# Altium PCB RS422 Breakout.PcbDoc
Units mil, origin at the board's own origin, x right, y up, seen from the top; angles counter-clockwise.
Board outline 1175 x 1375 mil, 2 copper layers (Top Layer, Bottom Layer), stack 30.315 mil thick; 53 components, 38 nets, 146 pads, 83 vias.
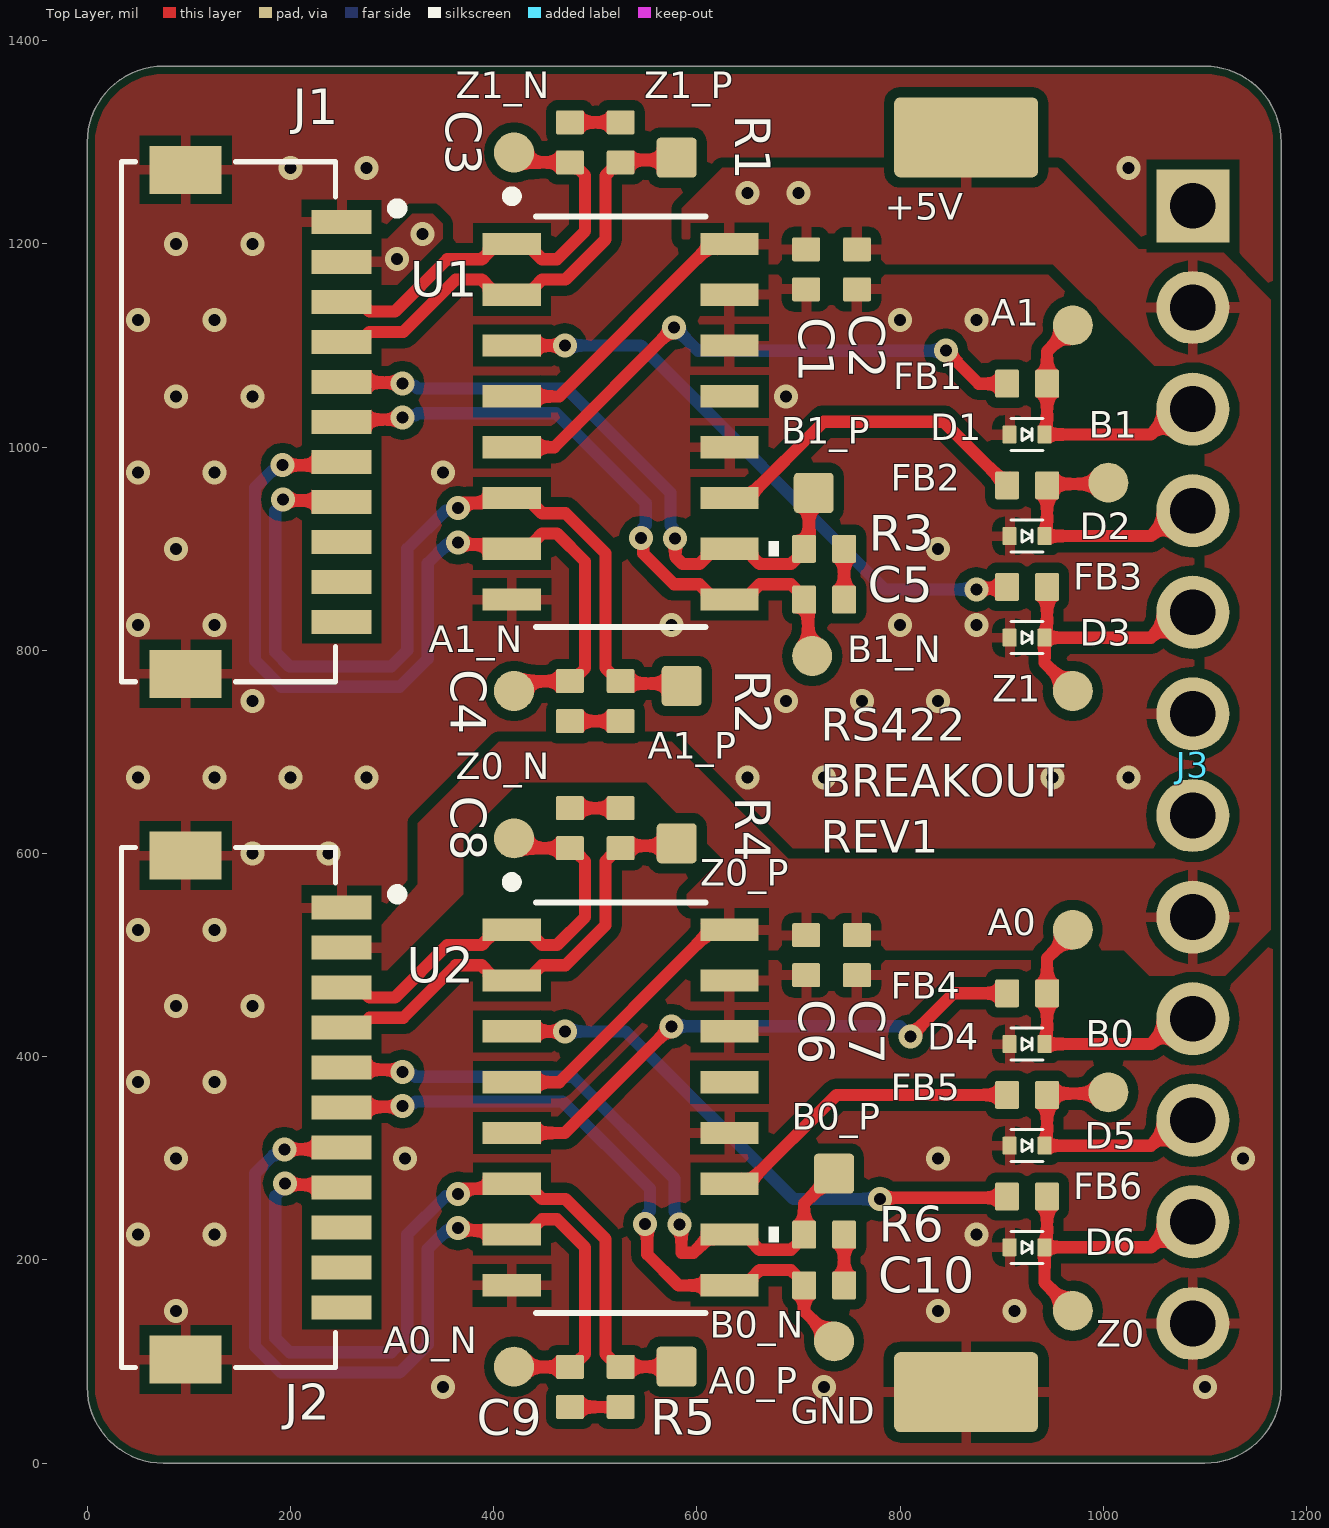
[diagram p0: Top Layer view]
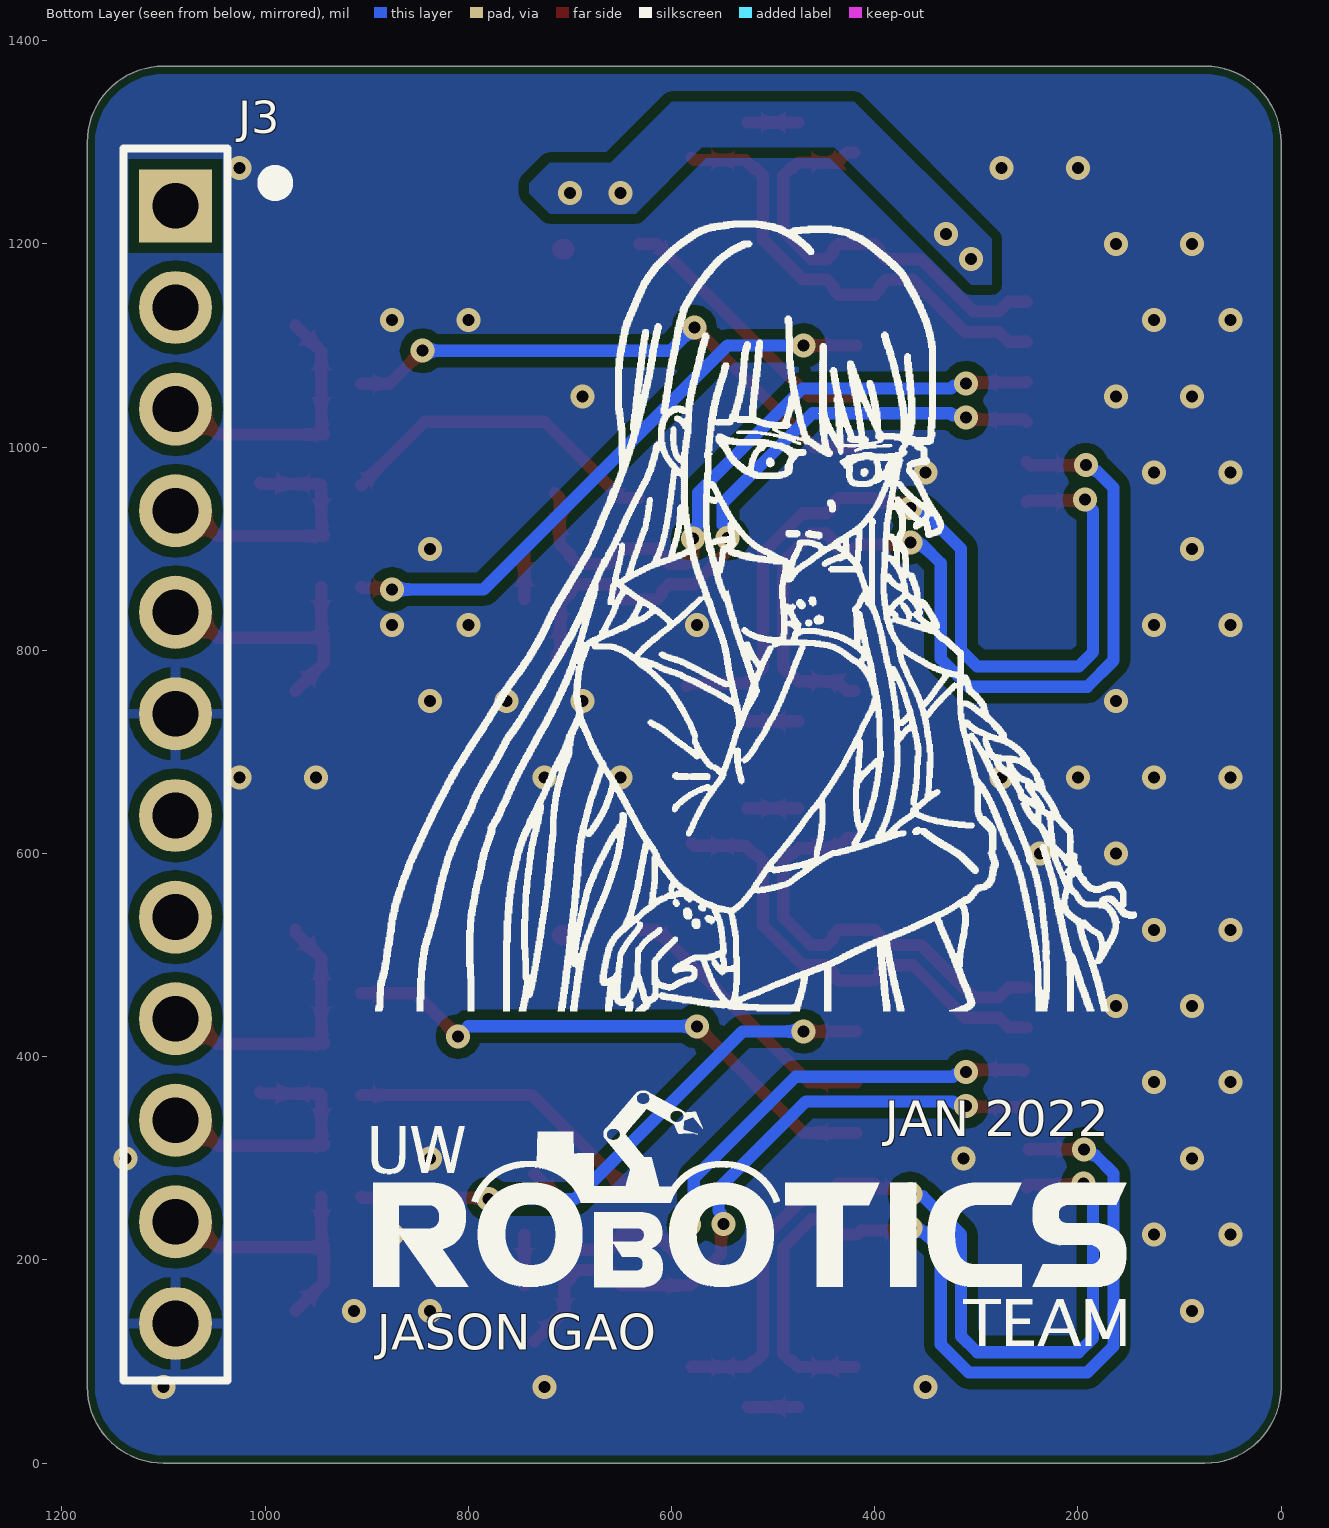
[diagram p1: Bottom Layer view, seen from below]
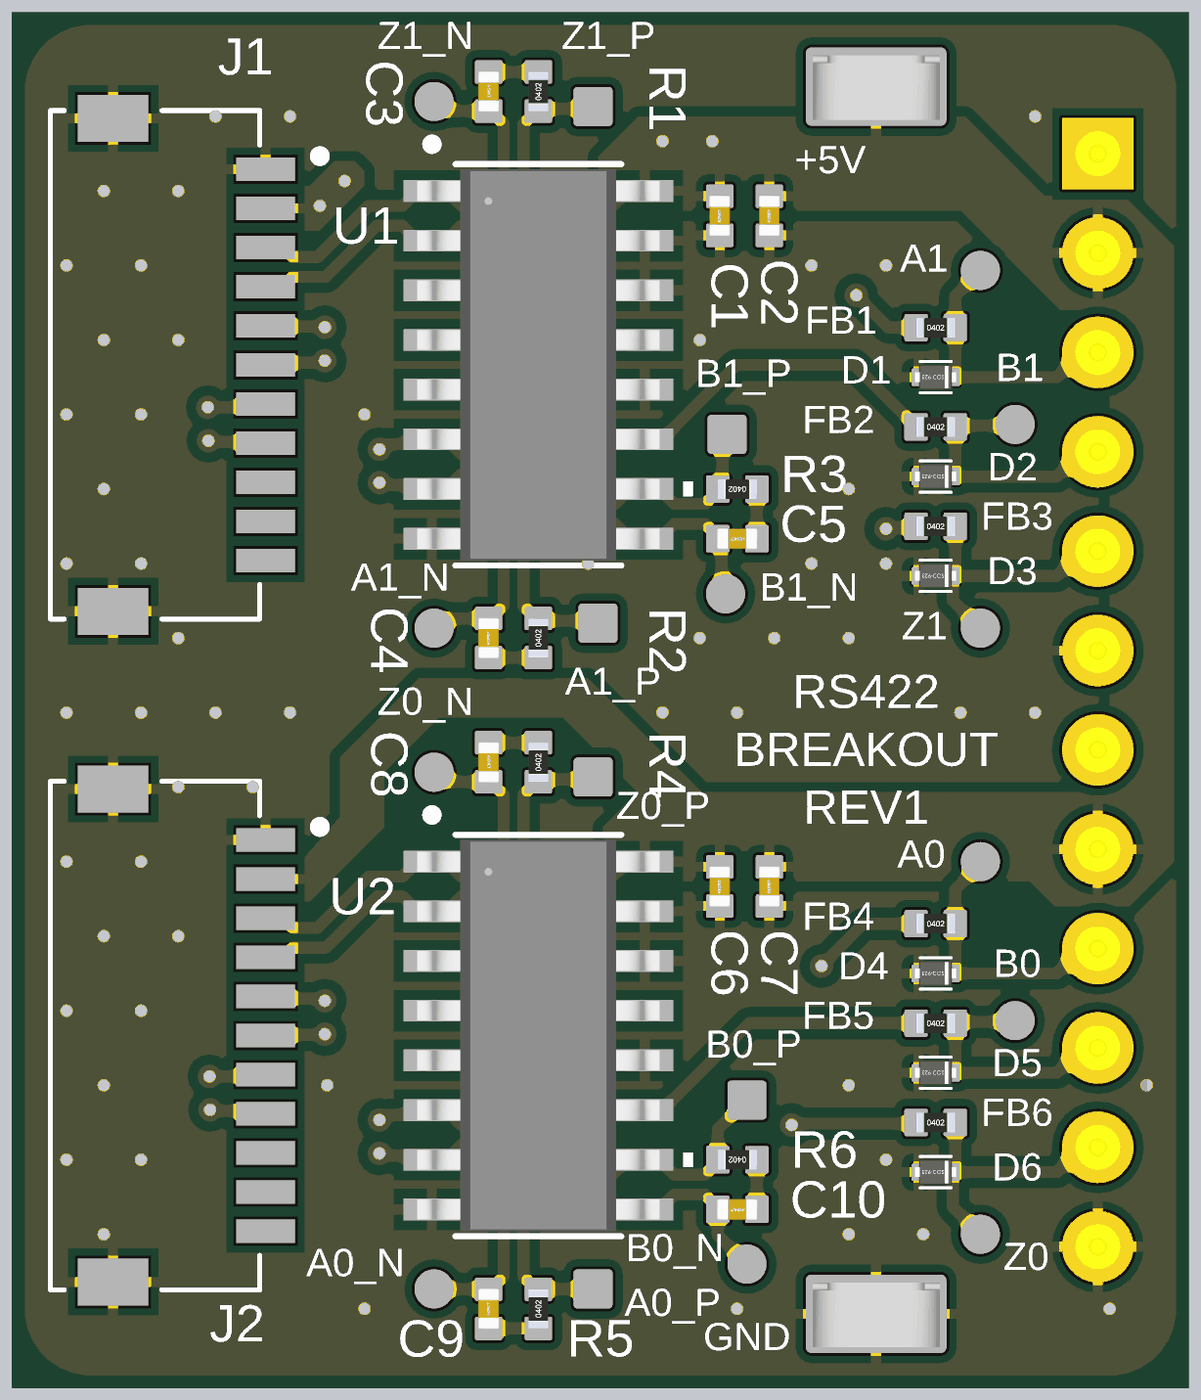
[diagram p2: 3D render of the assembled board from above, using the file's embedded part models]

## Layer stack, top to bottom
Top Solder: solder mask 0.5, Solder Resist, Dk 3.8
Top Layer: signal copper 1.378
Dielectric: core 27.5591, FR-4, Dk 4.5
Bottom Layer: signal copper 1.378
Bottom Solder: solder mask 0.5, Solder Resist, Dk 3.8

## Board outline
0,75 0,1300 cw(c75,1300) 75,1375 1100,1375 cw(c1100,1300) 1175,1300 1175,75 cw(c1100,75) 1100,0 75,0 cw(c75,75)

## Design rules (kind name [scope] priority, off if disabled: settings)
BoardOutlineClearance [All] p1: gap=7.87 ignorepadtopadclearanceinfootprint=FALSE
Clearance [All] p1: gap=10 ignorepadtopadclearanceinfootprint=FALSE except(5: Arc-Arc Arc-Track Track-Track)
ComponentClearance [All] p1: gap=5 collisioncheckmode=3 verticalgap=5 showdistances=TRUE
DiffPairsRouting [All] p1: maxlimit=8 minlimit=8 mostfreqgap=8 toplayer_minwidth=12 toplayer_maxwidth=12 toplayer_prefwidth=12 bottomlayer_minwidth=12 bottomlayer_maxwidth=12 bottomlayer_prefwidth=12 maxuncoupledlength=500
Height [All] p1: minheight=0 maxheight=71497.94 prefheight=500
HoleSize [All] p1: absolutevalues=TRUE maxlimit=248.03 minlimit=11.81 maxpercent=80.000 minpercent=20.000
HoleToHoleClearance [All] p1: gap=9.84 allowstackedmicrovias=FALSE
MinimumAnnularRing [All] p1: minimumring=3
MinimumSolderMaskSliver [All] p1: minsoldermaskwidth=0
PlaneClearance [All] p1: clearance=5
PlaneConnect PlaneConnectPowerPads [InPadClass('PowerPads')] p1: planeconnectstyle=Direct reliefexpansion=20 reliefentries=4 reliefconductorwidth=10 reliefairgap=10
PlaneConnect [All] p2: pad.planeconnectstyle=Relief pad.reliefexpansion=11.81 pad.reliefentries=4 pad.reliefconductorwidth=5 pad.reliefairgap=5 via.planeconnectstyle=Direct via.reliefexpansion=11.81 via.reliefentries=4 via.reliefconductorwidth=5 via.reliefairgap=5
PolygonConnect PolygonConnectPowerPads [All vs (InPadClass('PowerPads'))] p1: connectstyle=Direct reliefconductorwidth=10 reliefentries=4 polygonreliefangle="90 Angle" airgapwidth=10
PolygonConnect [All] p2: thpad.connectstyle=Relief thpad.reliefconductorwidth=10 thpad.reliefentries=4 thpad.polygonreliefangle="90 Angle" thpad.airgapwidth=10 smdpad.connectstyle=Relief smdpad.reliefconductorwidth=10 smdpad.reliefentries=4 smdpad.polygonreliefangle="90 Angle" smdpad.airgapwidth=10 via.connectstyle=Direct via.reliefconductorwidth=5 via.reliefentries=4 via.polygonreliefangle="90 Angle" via.airgapwidth=5
RoutingVias [All] p1: holewidth=11.81 width=23.62 viastyle="Through Hole" minholewidth=11.81 minwidth=23.62 maxholewidth=23.62 maxwidth=259.84
SilkToSilkClearance [All] p1: silktosilkclearance=0
SilkToSolderMaskClearance [IsPad] p1: minsilkscreentomaskgap=2 clearancetoexposedcopper=TRUE
SolderMaskExpansion [All] p1: expansion=2.95 istentingtop=FALSE
Width [All] p1: maxlimit=1000 minlimit=5 preferedwidth=5 minimp=50.000000 maximp=50.000000 favimp=50.000000
20 further rules are at their usual default settings.

## Classes and differential pairs
component class "RS422 Breakout": C1 C2 C3 C4 C5 C6 C7 C8 C9 C10 D1 D2 D3 D4 D5 D6 FB1 FB2 FB3 FB4 FB5 FB6 J1 J2 J3 R1 R2 R3 R4 R5 R6 U1 U2 Z1_N Z1_P
differential pair Z1: +Z1_P -Z1_N
differential pair Z0: +Z0_P -Z0_N
differential pair B1: +B1_P -B1_N
differential pair B0: +B0_P -B0_N
differential pair A1: +A1_P -A1_N
differential pair A0: +A0_P -A0_N

## Components (designator, comment, footprint, x,y, rotation, side; value= is the part's Value field where it differs from the comment)
A0 "TESTPOINT_1MM_CIRCLE" TESTPOINT_CIRCLE_1MM 970,525 r90 top (schematic designator TP14)
A0_N "TESTPOINT_1MM_CIRCLE" TESTPOINT_CIRCLE_1MM 420,95 r90 top (schematic designator TP20)
A0_P "TESTPOINT_1MM_SQUARE" TESTPOINT_SQUARE_1MM 580,95 r90 top (schematic designator TP21)
A1 "TESTPOINT_1MM_CIRCLE" TESTPOINT_CIRCLE_1MM 970,1120 r90 top (schematic designator TP8)
A1_N "TESTPOINT_1MM_CIRCLE" TESTPOINT_CIRCLE_1MM 420,760 r90 top (schematic designator TP11)
A1_P "TESTPOINT_1MM_SQUARE" TESTPOINT_SQUARE_1MM 585,765 r90 top (schematic designator TP15)
B0 "TESTPOINT_1MM_CIRCLE" TESTPOINT_CIRCLE_1MM 1005,365 r90 top (schematic designator TP13)
B0_N "TESTPOINT_1MM_CIRCLE" TESTPOINT_CIRCLE_1MM 735,120 r90 top (schematic designator TP19)
B0_P "TESTPOINT_1MM_SQUARE" TESTPOINT_SQUARE_1MM 735,285 r90 top (schematic designator TP17)
B1 "TESTPOINT_1MM_CIRCLE" TESTPOINT_CIRCLE_1MM 1005,965 r90 top (schematic designator TP7)
B1_N "TESTPOINT_1MM_CIRCLE" TESTPOINT_CIRCLE_1MM 713.43,794.53 r90 top (schematic designator TP10)
B1_P "TESTPOINT_1MM_SQUARE" TESTPOINT_SQUARE_1MM 715,955 r90 top (schematic designator TP5)
C1 "CAP_1UF_10V_0402_X5R" CAP0402 707.52,1175 r90 top
C2 "CAP_0.1uF_10V_0402" CAP0402 757.52,1175 r90 top value=0.1µF
C3 "CAP_0.01uF_16V_X7R_0402" CAP0402 475,1300 r270 top
C4 "CAP_0.01uF_16V_X7R_0402" CAP0402 475,750 r90 top
C5 "CAP_0.01uF_16V_X7R_0402" CAP0402 725.24,850 r180 top
C6 "CAP_1UF_10V_0402_X5R" CAP0402 707.52,500 r90 top
C7 "CAP_0.1uF_10V_0402" CAP0402 757.52,500 r90 top value=0.1µF
C8 "CAP_0.01uF_16V_X7R_0402" CAP0402 475,625 r270 top
C9 "CAP_0.01uF_16V_X7R_0402" CAP0402 475,75 r90 top
C10 "CAP_0.01uF_16V_X7R_0402" CAP0402 725.24,175 r180 top
D1 "TVS_DIODE_UNIDIR_5V" sod-923 925,1012.5 r180 top
D2 "TVS_DIODE_UNIDIR_5V" sod-923 925,912.5 r180 top
D3 "TVS_DIODE_UNIDIR_5V" sod-923 925,812.5 r180 top
D4 "TVS_DIODE_UNIDIR_5V" sod-923 925,412.5 r180 top
D5 "TVS_DIODE_UNIDIR_5V" sod-923 925,312.5 r180 top
D6 "TVS_DIODE_UNIDIR_5V" sod-923 925,212.5 r180 top
FB1 "FERRITE_BEAD_600OHM_0402" RES0402 925,1062.5 r0 top
FB2 "FERRITE_BEAD_600OHM_0402" RES0402 925,962.5 r0 top
FB3 "FERRITE_BEAD_600OHM_0402" RES0402 925,862.5 r0 top
FB4 "FERRITE_BEAD_600OHM_0402" RES0402 925,462.5 r0 top
FB5 "FERRITE_BEAD_600OHM_0402" RES0402 925,362.5 r0 top
FB6 "FERRITE_BEAD_600OHM_0402" RES0402 925,262.5 r0 top
J1 "CON_12M_SM_RA" MOLEX-5015681107 150,1025 r270 top
J2 "CON_12M_SM_RA" MOLEX-5015681107 150,350 r270 top
J3 "Samtech, TS-112-T-A" Samtech-TS-112-T-A 1088.17,687.5 r0 top
R1 "RES_120Ω_0402_5%" RES0402 525,1300 r90 top value=120Ω
R2 "RES_120Ω_0402_5%" RES0402 525,750 r90 top value=120Ω
R3 "RES_120Ω_0402_5%" RES0402 725.24,900 r180 top value=120Ω
R4 "RES_120Ω_0402_5%" RES0402 525,625 r90 top value=120Ω
R5 "RES_120Ω_0402_5%" RES0402 525,75 r90 top value=120Ω
R6 "RES_120Ω_0402_5%" RES0402 725.24,225 r180 top value=120Ω
TP1 "TESTPOINT_SMD_LOOP" S1751-46R 865,1305 r0 top
TP2 "TESTPOINT_SMD_LOOP" S1751-46R 865,70 r0 top
U1 "SN75ALS193DR" SOIC127P600X175-16N 525,1025 r0 top
U2 "SN75ALS193DR" SOIC127P600X175-16N 525,350 r0 top
Z0 "TESTPOINT_1MM_CIRCLE" TESTPOINT_CIRCLE_1MM 970,150 r90 top (schematic designator TP12)
Z0_N "TESTPOINT_1MM_CIRCLE" TESTPOINT_CIRCLE_1MM 420,615 r90 top (schematic designator TP18)
Z0_P "TESTPOINT_1MM_SQUARE" TESTPOINT_SQUARE_1MM 580.16,610.16 r90 top (schematic designator TP16)
Z1 "TESTPOINT_1MM_CIRCLE" TESTPOINT_CIRCLE_1MM 970,760 r90 top (schematic designator TP6)
Z1_N "TESTPOINT_1MM_CIRCLE" TESTPOINT_CIRCLE_1MM 420,1290 r90 top (schematic designator TP9)
Z1_P "TESTPOINT_1MM_SQUARE" TESTPOINT_SQUARE_1MM 580,1285 r90 top (schematic designator TP4)

## Footprints (in the part's own frame and the unit in brackets; to place one, negate y for a bottom-side part, rotate by r counter-clockwise, add the part's x,y. Pads: shape width x height; smd on the part's side, far side on the other; paste and mask are expansions set on the pad)
CAP0402 [mm] "Chip Capacitor, Body 1x0.5mm, Height 0.35mm, IPC Medium Density"
  rrect15% 0.6x0.7 smd: 1(-0.5,0) 2(0.5,0)
  body extent -0.52,-0.28 0.52,0.28, height 0.54
MOLEX-5015681107 [mm]
  rect 0.6x1.5 smd mask+0: 1(-5,2.55) 2(-4,2.55) 3(-3,2.55) 4(-2,2.55) 5(-1,2.55) 6(0,2.55) 7(1,2.55) 8(2,2.55) 9(3,2.55) 10(4,2.55) 11(5,2.55)
  rect 1.2x1.8 smd mask+0: S1(6.3,-1.35) S2(-6.3,-1.35)
  silkscreen extent -6.5,-2.95 6.5,2.4
RES0402 [mm] "Chip Resistor, Body 1x0.5mm, IPC Medium Density"
  rrect15% 0.6x0.7 smd: 1(-0.5,0) 2(0.5,0)
  body extent -0.5,-0.25 0.5,0.25, height 0.27
S1751-46R [mm] "SMD LOOP TESTPOINT"
  rrect15% 3.6x2 smd: 1(0,0)
  body extent -1.63,-0.85 1.62,0.8, height 2.01
Samtech-TS-112-T-A [mil] "Samtech CONN HEADER VERT 12POS 2.54MM"
  rect 71.93x71.93 hole 45: 1(0,550)
  round 71.93 hole 45: 2(0,450) 3(0,350) 4(0,250) 5(0,150) 6(0,50) 7(0,-50) 8(0,-150) 9(0,-250) 10(0,-350) 11(0,-450) 12(0,-550)
  body extent -50,-604 50,604, height 120
sod-923 [mm]
  rrect15% 0.35x0.45 smd mask+0.05: 1(-0.437,0) 2(0.437,0)
  silkscreen extent -0.4,-0.4 0.4,0.4, body extent -0.53,-0.32 0.53,0.32, height 0.43
SOIC127P600X175-16N [mil]
  rect 57.28x21.97 smd paste+0 mask+0: 1(-107.14,175) 2(-107.14,125) 3(-107.14,75) 4(-107.14,25) 5(-107.14,-25) 6(-107.14,-75) 7(-107.14,-125) 8(-107.14,-175) 9(107.14,-175) 10(107.14,-125) 11(107.14,-75) 12(107.14,-25) 13(107.14,25) 14(107.14,75) 15(107.14,125) 16(107.14,175)
  silkscreen extent -112,-202 156,227, body extent -122,-197 122,197, height 69
TESTPOINT_CIRCLE_1MM [mm]
  round 1 smd: 1(0,0)
TESTPOINT_SQUARE_1MM [mm]
  rrect20% 1x1 smd: 1(0,0)

## Part data
A0 A0_N A1 A1_N B0 B0_N B1 B1_N Z0 Z0_N Z1 Z1_N: "TESTPOINT 1MM CIRCLE"
A0_P A1_P B0_P B1_P Z0_P Z1_P: "TESTPOINT 1MM SQUARE"
C1 C6: "CAP CER 1UF 10V X5R 0402", Capacitance=1μF, Manufacturer="Kyocera AVX", Manufacturer Part Number=0402ZD105MAT2A, Package=0402, Rated DC Voltage (URdc)=10V, Supplier Part Number 1=478-5768-1-ND, Temperature Characteristics Code=X5R, ComponentLink7Description=https://datasheet.ciiva.com/11531/cx5r-11531784.pdf?src-supplier=Avnet, ComponentLink7URL=https://datasheet.ciiva.com/11531/cx5r-11531784.pdf?src-supplier=Avnet, Mounting Type="Surface Mount", Supplier 1=Digi-Key
C2 C7: "CAP CER 0.1UF 10V X7R 0402", Manufacturer 1="Murata Electronics", Manufacturer Part Number 1=GRM155R71A104KA01D, Package/Footprint=0402, Supplier Part Number 1=490-6321-1-ND, Voltage Rating=10V, Supplier 1=Digi-Key
C3 C4 C5 C8 C9 C10: "CAP CER 0.01uF 16V X7R 0402", Capacitance=0.01μF, Manufacturer=KEMET, Manufacturer Part Number=C0402C103J4RACTU, Supplier Part Number 1=399-1039-1-ND, Voltage Rating=16V, Mounting Type="Surface Mount", Supplier 1=Digi-Key
D1 D4: "TVS DIODE 5VWM 12.3VC SOD923", Clamping Voltage-Max=12.3V, Manufacturer 1="ON Semiconductor", Manufacturer Part Number 1=ESD9X5.0ST5G, Min Breakdown Voltage=6.2V, Supplier Part Number 1=ESD9X5.0ST5GOSCT-ND, Supplier 1=Digi-Key
D2 D3 D5 D6: "TVS DIODE 5VWM 12.3VC SOD923", Clamping Voltage-Max=12.3V, Manufacturer 1="ON Semiconductor", Min Breakdown Voltage=6.2V, Supplier Part Number 1=ESD9X5.0ST5GOSCT-ND, Supplier 1=Digi-Key
FB1 FB2 FB3 FB4 FB5 FB6: "FIXED IND 1UH 3.8A 33 MOHM SMD", Current Rating (Max)=300mA, DC Resistance (DCR) (Max)=520mΩ, Impedance @ Frequency="600Ω @ 100 MHz", Manufacturer 1="TDK Corporation", Manufacturer Part Number 1=MMZ1005S601CT000, Package=0402, Package/Footprint=SMD, Supplier Part Number 1=445-2162-1-ND, Impedance=600Ω, Mounting Type=SMD, Supplier 1=Digi-Key
J1 J2: library part CON_11M_SM_RA, "CONN HEADER SMD RIGHT ANGLE 1MM PITCH", Package=None, Supplier Part Number 1=WM7902CT-ND, Availability=Unavailable, MP="Molex, 5015681107", Price=None, Supplier 1=Digi-Key
J3: library part CON_12M_TH_VERT_2.54mm, "CONN HEADER THROUGH HOLE VERTICAL 2.54MM PITCH", Supplier Part Number 1=SAM12216-ND, Manufacturing Part Number="Samtech, TS-112-T-A", Supplier 1=Digi-Key
R1 R2 R3 R4 R5 R6: "RES 120 OHM 5% 1/16W 0402", Manufacturer 1=Yageo, Manufacturer Part Number 1=RC0402JR-07120RL, Package/Footprint=0402, Power=1/16W, Supplier Part Number 1=311-120JRCT-ND, Tolerance=5%, Mounting Type=SMD, Supplier 1=Digi-Key
TP1 TP2: "TESTPOINT SMD LOOP", Manufacturer 1=Harwin, Manufacturer Part Number 1=S1751-46R, Package/Footprint=SMD, Supplier Part Number 1=952-1478-1-ND, Mounting Type=SMD, Supplier 1=Digi-Key
U1 U2: "0/4 Receiver - RS422, RS423 16-SOIC", Mfr_Name="Texas Instruments", Supplier Part Number 1=296-24362-1-ND, Copyright="Copyright (C) 2021 Ultra Librarian. All rights reserved.", Manufacturer_Part_Number=SN75ALS193DR, RefDes=RefDes, Supplier 1=Digi-Key, Type=DEV

## Via types
v1: diameter 23.62, hole 11.81, Top Layer to Bottom Layer, tented both sides, 83 vias

## Nets (pads, with @x,y where several pads share a name; then routed paths per layer and width w, separated by ;. In a path a pad name is that pad's centre, name@x,y a point inside that pad or via, vN(x,y) a via of type N, cw(c..) or ccw(c..) an arc to the next point about the centre after c; other vN are vias at no path point)
5V: C1.2 C2.2 C6.2 C7.2 J1.2 J2.2 J3.2 J3.8 TP1.1 U1.4 U1.16 U2.4 U2.16 | length 556.8
  Top Layer w12: U2.4 464.5,375 609.5,520 614.48,525 U2.16 ; U1.4 464.5,1050 609.5,1195 614.48,1200 U1.16
  Top Layer w20: C6.2@705.55,519.68 C6.2 ; C1.2@705.55,1194.68 C1.2
  other v1: 305,1185 330,1210 650,1250 700,1250
A0: FB4.1 U2.5 | length 552.7
  Top Layer w12: U2.5 470,325 v1(575,430) ; v1(810,420) 852.5,462.5 FB4.1
  Bottom Layer w12: v1(575,430) 800,430 v1(810,420)
A0_N: A0_N.1 C9.2 J2.7 U2.7 | length 915.7
  Top Layer w12: v1(193.93,308.93) J2.7@248.69,308.93 ; v1(365,231.38) 367.22,229.15 413.71,229.15 U2.7 435.52,225 440.5,229.98 440.5,232.97 447.53,240 462.34,240 490,212.34 490,107.53 482.97,100.5 480.81,100.5 C9.2 420.32,94.68 A0_N.1
  Bottom Layer w12: v1(193.93,308.93) 190.78,308.93 184.97,303.12 182.99,303.12 165,285.12 165,115 190.86,89.14 307.43,89.14 335,116.72 335,210.73 353.42,229.15 362.78,229.15 v1(365,231.38)
A0_P: A0_P.1 J2.8 R5.2 U2.6 | length 886.6
  Top Layer w12: v1@195.69,274.13 J2.8@247.52,274.13 ; J2.8@247.24,274.41 J2.8@247.52,274.13 ; J2.8 J2.8@247.52,274.13 ; J2.8@250.93,274.13 J2.8@247.52,274.13 ; v1(365,265) 368.14,265 373.16,270.02 395.22,270.02 400.2,275 435.52,275 440.5,270.02 440.5,267.03 447.53,260 470.63,260 510,220.63 510,107.53 517.03,100.5 519.19,100.5 R5.2 525.16,94.84 579.84,94.84 A0_P.1
  Bottom Layer w12: v1(194.51,275.3) 194.51,272.16 185,262.65 185,123.28 199.14,109.14 299.14,109.14 315,125 315,225 352.78,262.78 362.78,262.78 v1(365,265)
A0_PROT: A0.1 D4.1 FB4.2 J3.9 | length 280.3
  Top Layer w12: A0.1 970,522.34 944.68,497.02 FB4.2 944.68,416.93 942.22,414.47 D4.1 1046.96,412.5 1071.96,437.5 J3.9
A1: FB1.1 U1.5 | length 559.3
  Top Layer w12: U1.5 459.54,1000 v1(577.56,1118.01) ; v1(845,1095) 877.5,1062.5 FB1.1
  Bottom Layer w12: v1(577.56,1118.01) 578.07,1118.01 601.08,1095 v1(845,1095)
A1_N: A1_N.1 C4.2 J1.7 U1.7 | length 922
  Top Layer w12: v1(192.22,982.22) 246.99,982.22 J1.7 ; v1(365,906.38) 367.22,904.15 413.71,904.15 U1.7 435.52,900 440.5,904.98 440.5,907.97 447.53,915 462.34,915 490,887.34 490,782.53 482.97,775.5 480.81,775.5 C4.2 437.09,769.68 427.41,760 A1_N.1
  Bottom Layer w12: v1(192.22,982.22) 189.08,982.22 183.27,976.41 181.29,976.41 165,960.12 165,790 190.86,764.14 307.43,764.14 335,791.72 335,885.73 353.42,904.15 362.78,904.15 v1(365,906.38)
A1_P: A1_P.1 J1.8 R2.2 U1.6 | length 889.9
  Top Layer w12: v1(192.81,948.6) 193.98,947.43 249.22,947.43 J1.8 ; v1(365,940) 368.14,940 373.16,945.02 395.22,945.02 400.2,950 435.52,950 440.5,945.02 440.5,942.03 447.53,935 470.63,935 510,895.63 510,782.53 517.03,775.5 519.19,775.5 R2.2 527.34,767.34 582.66,767.34 A1_P.1
  Bottom Layer w12: v1(192.81,948.6) 192.81,945.46 185,937.65 185,798.28 199.14,784.14 299.14,784.14 315,800 315,900 352.78,937.78 362.78,937.78 v1(365,940)
A1_PROT: A1.1 D1.1 FB1.2 J3.3 | length 275.3
  Top Layer w12: A1.1 970,1119.59 944.68,1094.28 FB1.2 944.68,1016.93 942.22,1014.47 D1.1 1046.96,1012.5 1071.96,1037.5 J3.3
B0: FB5.1 U2.11 | length 309.4
  Top Layer w12: U2.11 649.8,275 737.3,362.5 FB5.1
B0_N: B0_N.1 C10.2 J2.6 U2.9 | length 653.4
  Top Layer w12: J2.6@253.54,353.15 256.01,350.69 309.31,350.69 v1(310,351.38) ; v1@549.49,234.97 551.18,233.28 551.18,205.6 581.77,175 649.8,175 654.78,179.98 654.78,182.97 661.81,190 692.71,190 699.74,182.97 699.74,180.81 C10.2 705.55,149.45 B0_N.1
  Bottom Layer w12: v1(310,351.38) 312.22,353.6 320.41,353.6 322.84,356.03 467.76,356.03 553.71,270.09 553.71,248.25 551.28,245.82 551.28,240.41 v1@548.5,237.63
  other v1: 549.05,235.41
B0_P: B0_P.1 J2.5 R6.2 U2.10 | length 660.7
  Top Layer w12: J2.5@253.54,386.22 254.51,387.19 307.81,387.19 v1(310,385) ; v1(582.67,234.91) 584.89,232.69 584.89,207.21 596.69,207.21 614.48,225 649.8,225 654.78,220.02 654.78,217.03 661.81,210 692.71,210 699.74,217.03 699.74,219.19 R6.2 705.55,255.55 B0_P.1
  Bottom Layer w12: v1(310,385) 312.22,382.78 320.41,382.78 322.84,380.34 477.83,380.34 578.02,280.16 578.02,247.75 580.45,245.32 580.45,237.14 v1(582.67,234.91)
B0_PROT: B0.1 D5.1 FB5.2 J3.10 | length 268.7
  Top Layer w12: B0.1 1003.75,363.75 945.93,363.75 FB5.2 944.68,316.93 942.22,314.47 D5.1 1046.96,312.5 1071.96,337.5 J3.10
B1: FB2.1 U1.11 | length 330.1
  Top Layer w12: U1.11 649.8,950 724.8,1025 842.82,1025 FB2.1
B1_N: B1_N.1 C5.2 J1.6 U1.9 | length 645
  Top Layer w12: J1.6 252.49,1027.09 307.91,1027.09 v1(310,1029.19) ; v1(545,910.46) 547.23,908.23 547.23,895.33 577.56,865 602.47,865 609.5,857.97 609.5,854.98 614.48,850 649.8,850 654.78,854.98 654.78,857.97 661.81,865 692.71,865 699.74,857.97 699.74,855.81 C5.2 709.49,846.06 709.49,798.46 B1_N.1
  Bottom Layer w12: v1(310,1029.19) 312.22,1031.41 323.1,1031.41 325.15,1033.46 461.33,1033.46 549.66,945.13 549.66,923.3 547.23,920.87 547.23,912.68 v1(545,910.46)
B1_P: B1_P.1 J1.5 R3.2 U1.10 | length 645.9
  Top Layer w12: J1.5 251.17,1063.59 309.22,1063.59 v1(310,1062.81) ; v1(578.62,910) 578.81,909.81 578.81,892.03 585.84,885 602.47,885 609.5,892.03 609.5,895.02 614.48,900 649.8,900 654.78,895.02 654.78,892.03 661.81,885 692.71,885 699.74,892.03 699.74,894.19 R3.2 710.28,904.72 710.28,950.28 B1_P.1
  Bottom Layer w12: v1(310,1062.81) 312.22,1060.59 322.01,1060.59 324.83,1057.77 471.4,1057.77 573.97,955.2 573.97,922.84 576.4,920.41 576.4,912.22 v1(578.62,910)
B1_PROT: B1.1 D2.1 FB2.2 J3.4 | length 275.2
  Top Layer w12: B1.1 1003.75,963.75 945.93,963.75 FB2.2 944.68,916.93 942.22,914.47 D2.1 1046.96,912.5 1071.96,937.5 J3.4 J3.4@1083.55,932.88
GND: C1.1 C2.1 C6.1 C7.1 D1.2 D2.2 D3.2 D4.2 D5.2 D6.2 J1.1 J1.S1 J1.S2 J2.1 J2.S1 J2.S2 J3.6 J3.12 TP2.1 U1.8 U1.12 U1.14 U1.15 U2.8 U2.12 U2.14 U2.15
  other v1: 350,75 725,75 1100,75 87.5,150 837.5,150 912.5,150 50,225 125,225 875,225 87.5,300 312.5,300 837.5,300 1137.5,300 50,375 125,375 87.5,450 162.5,450 50,525 125,525 162.5,600 237.5,600 50,675 125,675 200,675 275,675 650,675 725,675 950,675 1025,675 162.5,750 687.5,750 762.5,750 837.5,750 50,825 125,825 575,825 800,825 875,825 87.5,900 837.5,900 50,975 125,975 350,975 87.5,1050 162.5,1050 687.5,1050 50,1125 125,1125 800,1125 875,1125 87.5,1200 162.5,1200 200,1275 275,1275 1025,1275
NetC3_1: C3.1 R1.2 | length 50
  Top Layer w12: C3.1 R1.2
NetC4_1: C4.1 R2.1 | length 50
  Top Layer w12: C4.1 R2.1
NetC5_1: C5.1 R3.1 | length 50
  Top Layer w12: C5.1 R3.1
NetC8_1: C8.1 R4.2 | length 50
  Top Layer w12: C8.1 R4.2
NetC9_1: C9.1 R5.1 | length 50.3
  Top Layer w12: C9.1 509.68,55.32 510,55 524.68,55 R5.1
NetC10_1: C10.1 R6.1 | length 50
  Top Layer w12: C10.1 R6.1
U0: J2.9
U1: J1.9
V0: J2.10
V1: J1.10
W0: J2.11
W1: J1.11
Z0: FB6.1 U2.3 | length 556.8
  Top Layer w12: U2.3 v1(470,425) ; v1(780,260) 781.25,261.25 904.07,261.25 FB6.1
  Bottom Layer w12: v1(470,425) 530,425 695,260 v1(780,260)
Z0_N: C8.2 J2.3 U2.1 Z0_N.1 | length 426.5
  Top Layer w12: J2.3 268.11,468.11 277.8,458.43 302.73,458.43 354.31,510 388.19,510 395.22,517.03 395.22,520.02 400.2,525 U2.1 435.52,525 440.5,520.02 440.5,517.03 447.53,510 462.34,510 490,537.66 490,592.47 482.97,599.5 480.81,599.5 C8.2 437.09,605.32 427.41,615 Z0_N.1
Z0_P: J2.4 R4.1 U2.2 Z0_P.1 | length 457.8
  Top Layer w12: J2.4 268.11,428.74 277.8,438.43 311.02,438.43 362.59,490 388.19,490 395.22,482.97 395.22,479.98 400.2,475 U2.2 435.52,475 440.5,479.98 440.5,482.97 447.53,490 470.63,490 510,529.37 510,592.47 517.03,599.5 519.19,599.5 R4.1 527.42,607.74 577.74,607.74 Z0_P.1
Z0_PROT: D6.1 FB6.2 J3.11 Z0.1 | length 281.3
  Top Layer w12: FB6.2 944.68,216.93 942.22,214.47 D6.1 ; Z0.1 942.22,177.78 D6.1 ; J3.11 1071.96,237.5 1046.96,212.5 D6.1
Z1: FB3.1 U1.3 | length 587.9
  Top Layer w12: U1.3 v1(470,1100) ; v1(875,860) 876.25,861.25 904.07,861.25 FB3.1
  Bottom Layer w12: v1(470,1100) 545,1100 785,860 v1(875,860)
Z1_N: C3.2 J1.3 U1.1 Z1_N.1 | length 426.5
  Top Layer w12: J1.3 268.11,1143.11 277.8,1133.43 302.73,1133.43 354.31,1185 388.19,1185 395.22,1192.03 395.22,1195.02 400.2,1200 U1.1 435.52,1200 440.5,1195.02 440.5,1192.03 447.53,1185 462.34,1185 490,1212.66 490,1267.47 482.97,1274.5 480.81,1274.5 C3.2 437.09,1280.32 427.41,1290 Z1_N.1
Z1_P: J1.4 R1.1 U1.2 Z1_P.1 | length 457.6
  Top Layer w12: J1.4 268.11,1103.74 277.8,1113.43 311.02,1113.43 362.59,1165 388.19,1165 395.22,1157.97 395.22,1154.98 400.2,1150 U1.2 435.52,1150 440.5,1154.98 440.5,1157.97 447.53,1165 470.63,1165 510,1204.37 510,1267.47 517.03,1274.5 519.19,1274.5 R1.1 527.34,1282.66 577.66,1282.66 Z1_P.1
Z1_PROT: D3.1 FB3.2 J3.5 Z1.1 | length 271.3
  Top Layer w12: FB3.2 944.68,816.93 942.22,814.47 D3.1 ; Z1.1 942.22,787.78 D3.1 ; J3.5 1071.96,837.5 1046.96,812.5 D3.1
pads on no net: J3.1 J3.7 U1.13 U2.13

## Polygon pours and split planes (outlines as drawn)
GND on Top Layer "GND_L01_P005" (solid, remove dead copper, pour order 7): 0,75 0,1300 cw(c75,1300) 75,1375 1100,1375 cw(c1100,1300) 1175,1300 1175,75 cw(c1100,75) 1100,0 75,0 cw(c75,75)
5V on Top Layer "5V_L01_P004" (solid, pour order 4): 240,485 295,485 370,560 370,615 425,670 550,670 635,585 690,585 690,595 575,710 405,710 325,630 325,570 290,530 240,530
5V on Top Layer "5V_L01_P002" (solid, pour order 2): 1115,1195 1140,1170 1140,1100 1120,1080 1050,1080 950,1180 610,1180 585,1205 585,1235 625,1275 955,1275 1035,1195
5V on Top Layer "5V_L01_P001" (solid, pour order 1): 1115,595 1140,570 1140,500 1120,480 1045,480 1020,505 610,505 590,525 590,560 625,595
5V on Top Layer "5V_L01_P000" (solid, pour order 0): 1115,1195 1165,1145 1165,525 1120,480 1100,500 1100,1195
5V on Top Layer "5V_L01_P005" (solid, pour order 5): 240,1205 240,1160 305,1160 350,1205 350,1220 340,1230 320,1230 295,1205
GND on Bottom Layer "GND_L02_P006" (solid, pour order 6): 0,75 0,1300 cw(c75,1300) 75,1375 1100,1375 cw(c1100,1300) 1175,1300 1175,75 cw(c1100,75) 1100,0 75,0 cw(c75,75)
5V on Bottom Layer "5V_L02_P003" (solid, pour order 3): 285,1205 285,1160 305,1160 440,1295 570,1295 635,1230 720,1230 740,1250 740,1260 720,1280 660,1280 600,1340 420,1340

## Silkscreen, mask and mechanical layers (free items; w line width, h text height)
Top Overlay:
  circle w10: c305,560 r5
  circle w10: c305,1235 r5
  text "+5V" at 785,1215 h45
  text "RS422  / BREAKOUT  / REV1" at 721.95,590 h55
  text "GND" at 692.44,30 h45
Bottom Overlay:
  drawing of 31 lines, arcs and shapes, not listed
  text "JAN 2022" at 390,310 h60
  text "JASON GAO" at 890,100 h60
Board Shape:
  the board outline again, w10

## Text inside footprints (layer, text, board x,y; h text height)
U1: Mechanical 13 "*" at 449,1169 h50
U2: Mechanical 13 "*" at 449,494 h50